# Altium PCB CRD25DA12N-FMC V1.1 (07-2023).PcbDoc (part 6 of 7)
Units mil, origin at the board's own origin, x right, y up, seen from the top; angles counter-clockwise.
Board outline 8000 x 8000 mil, 6 copper layers (Top Layer, Layer 2, Layer 3, Layer 4, Layer 5, Bottom Layer), stack 91 mil thick; 542 components, 315 nets, 1585 pads, 558 vias.
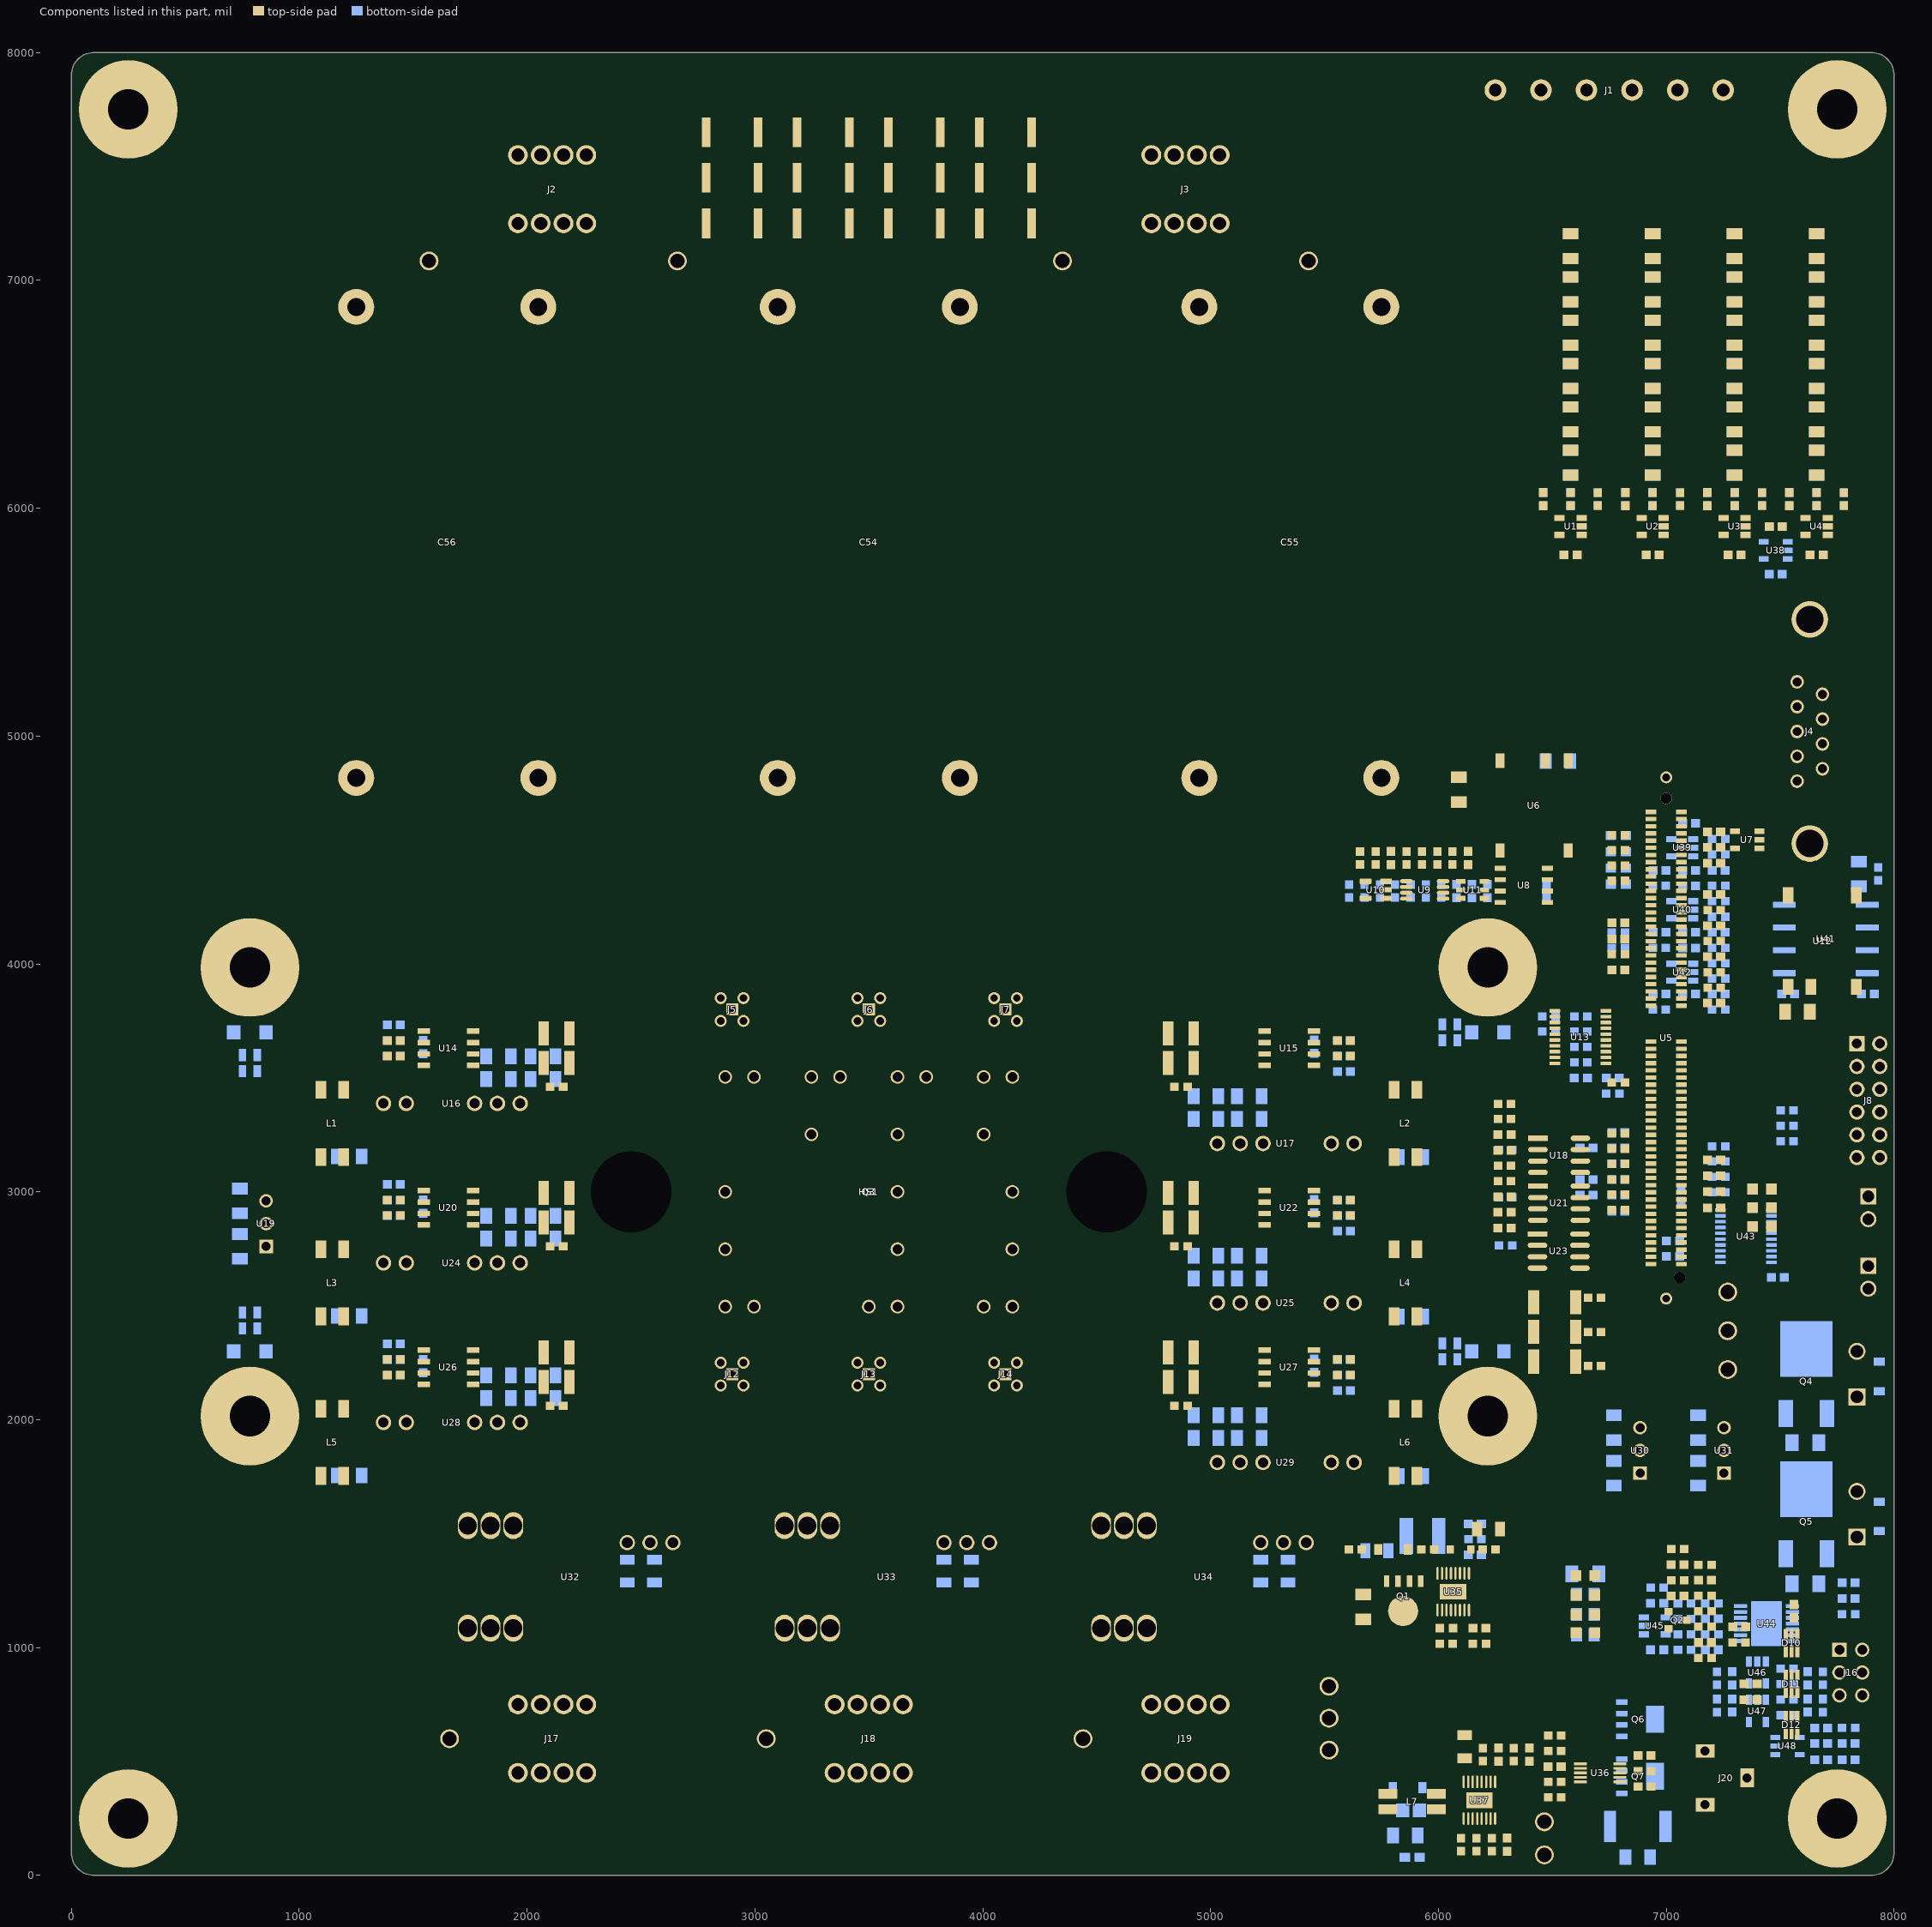
[diagram p10: the components of this part, seen from the top]

## Polygon pours and split planes (outlines as drawn) (continued)
GND on Bottom Layer "GND_L06_P148" (solid, pour order 148): 6825,1941.88 6856.88,1910 6935,1910 6935,1820 6856.88,1820 6825,1788.12 6825,1770 6715,1770 6715,1960 6825,1960
+3.3V on Bottom Layer "+3.3V_L06_P146" (solid, pour order 146): 6803.12,1970 6835,1938.12 6835,1920 6935,1920 6935,2065 6715,2065 6715,1970
GND on Bottom Layer "GND_L06_P145" (solid, pour order 145): 7470,1495 7470,1330 7625,1330 7625,1495
DC- on Layer 5 "DC-_L05_P275" (solid, pour order 275): 1084,3924 2231,3924 2320,3835 2320,2930 4565,2930 5365,3730 5365,4050 5455,4140 5772.5,4137.5 6238,4603 6238,7740 758,7740 758,4250
GND on Layer 5 "GND_L05_P266" (solid, pour order 266): 54 vertices, not listed, extent 2385,50 7950,6175
S4 on Layer 5 "S4_L05_P090" (solid, pour order 90): 4745,2370 5265,2370 5265,1775 4745,1775
S6 on Layer 5 "S6_L05_P091" (solid, pour order 91): 4745,3070 5265,3070 5265,2475 4745,2475
S5 on Layer 5 "S5_L05_P092" (solid, pour order 92): 4745,3770 5265,3770 5265,3175 4745,3175
S1 on Layer 5 "S1_L05_P033" (solid, pour order 33): 1735,3080 2245,3080 2245,2625 1735,2625
S2 on Layer 5 "S2_L05_P341" (solid, pour order 341): 1735,2380 2245,2380 2245,1925 1735,1925
S3 on Layer 5 "S3_L05_P342" (solid, pour order 342): 1735,3780 2245,3780 2245,3325 1735,3325
GND on Layer 5 "GND_L05_P304" (solid, pour order 304): 1395,1850 1470,1850 1470,1925 1575,1925 1575,3725 490,3725 490,1680 1395,1680
U_OUT on Layer 5 "U_OUT_L05_P169" (solid, pour order 169): 1545,1620 1545,340 2455,340 2455,1015 2165,1305 2165,1620
V_OUT on Layer 5 "V_OUT_L05_P168" (solid, pour order 168): 2935,1620 2935,340 3845,340 3845,1015 3555,1305 3555,1620
W_OUT on Layer 5 "W_OUT_L05_P016" (solid, pour order 16): 4325,1620 4325,340 5235,340 5235,1015 4945,1305 4945,1620
GND_ISO on Layer 5 "GND_ISO_L05_P138" (solid, pour order 138): 7725,4445 7725,4365 7810,4365 7810,3845 7950,3845 7950,5595 7540,5595 7540,4445
GND_NTC on Layer 5 "GND_NTC_L05_P263" (solid, pour order 263): 6055,4575 6000,4575 6000,4520 5585,4520 5585,4235 6295,4235 6295,4925 6055,4925
+12V on Top Layer "+12V_L01_P193" (solid, pour order 193): 5880,3795 5880,3940 5805,4015 5580,4015 5205,4390 1545,4390 790,3635 790,3360 960,3360 965,3365 965,3615 1690,4340 5115,4340 5660,3795
G3 on Top Layer "G3_L01_P128" (solid, pour order 128): 18 vertices, not listed, extent 2130,3450 3405,4070
G1 on Top Layer "G1_L01_P061" (solid, pour order 61): 2150,2810 2150,2750 2170,2750 2170,2810 2210,2810 2210,3075 2585,3450 3008.94,3450 3008.94,3560 2520,3560 2130,3170 2130,2810
G2 on Top Layer "G2_L01_P060" (solid, pour order 60): 2150,2110 2150,2050 2170,2050 2170,2110 2210,2110 2210,2210 2445,2445 3045,2445 3045,2555 2400,2555 2195,2350 2130,2350 2130,2110
G6 on Top Layer "G6_L01_P059" (solid, pour order 59): 4775,3060 4775,2800 4530,2555 3955,2555 3955,2445 4615,2445 4870,2700 4870,3060
G5 on Top Layer "G5_L01_P057" (solid, pour order 57): 4735,3665 4789.19,3610.81 4790,3610.81 4790,3440 4870,3440 4870,3754.99 3780.01,3755.01 3705,3680 3705,3515 3755,3465 3795,3465 3795,3600 3860,3665
G4 on Top Layer "G4_L01_P056" (solid, pour order 56): 19 vertices, not listed, extent 3605,1940 4870,2535
+15V on Top Layer "+15V_L01_P235" (solid, pour order 235): 5600,1175 5600,1045 5940,1045 5940,1240 5730,1240 5730,1175
NetD4_2 on Top Layer "NETD4_2_L01_P227" (solid, pour order 227): 5900,1400 5901.49,1400 6015,1400 6015,1120 5950,1120 5950,1360 5830,1360 5830,1475 5900,1475
NetC182_2 on Top Layer "NETC182_2_L01_P224" (solid, pour order 224): 17 vertices, not listed, extent 5840,175 6155,450
GND on Top Layer "GND_L01_P434" (solid, pour order 434): 6530,5000 6530,4825 6638.38,4825 6638.38,5000
+5V_NTC on Top Layer "+5V_NTC_L01_P213" (solid, pour order 213): 6149.83,4525 6200.06,4474.77 6200,4474.77 6200,4445 6295,4445 6295,4760 6055,4760 6055,4675 6055,4525
GND_NTC on Top Layer "GND_NTC_L01_P215" (solid, pour order 215): 6210,4925 6055,4925 6055,4770 6295,4770 6295,4925
GND on Top Layer "GND_L01_P431" (solid, pour order 431): 5715,3305 5715,3555 5850,3555 5850,3305
+12V on Top Layer "+12V_L01_P430" (solid, pour order 430): 5945,3305 5945,3555 5860,3555 5860,3305
NetC105_2 on Top Layer "NETC105_2_L01_P429" (solid, pour order 429): 5850,3065 5480,3065 5480,3295 5850,3295
NetC105_1 on Top Layer "NETC105_1_L01_P428" (solid, pour order 428): 5945,3295 5945,3065 5860,3065 5860,3295
GND on Top Layer "GND_L01_P427" (solid, pour order 427): 5715,2605 5715,2855 5850,2855 5850,2605
+12V on Top Layer "+12V_L01_P426" (solid, pour order 426): 5945,2605 5945,2855 5860,2855 5860,2605
NetC135_2 on Top Layer "NETC135_2_L01_P425" (solid, pour order 425): 5850,2365 5480,2365 5480,2595 5850,2595
NetC135_1 on Top Layer "NETC135_1_L01_P424" (solid, pour order 424): 5945,2595 5945,2365 5860,2365 5860,2595
+12V on Top Layer "+12V_L01_P379" (solid, pour order 379): 1235,1945 1235,2150 1145,2150 1145,1945
NetC157_1 on Top Layer "NETC157_1_L01_P376" (solid, pour order 376): 1195,1935 1195,1937.5 1245,1987.5 1245,2040 1525,2040 1525,1925 1455,1925 1450,1925 1395,1870 1395,1680 1145,1680 1145,1935
NetC156_1 on Top Layer "NETC156_1_L01_P102" (solid, pour order 102): 5945,1895 5945,1665 5860,1665 5860,1895
NetC156_2 on Top Layer "NETC156_2_L01_P103" (solid, pour order 103): 5850,1665 5480,1665 5480,1895 5850,1895
+12V on Top Layer "+12V_L01_P178" (solid, pour order 178): 5945,1905 5945,2155 5860,2155 5860,1905
GND on Top Layer "GND_L01_P184" (solid, pour order 184): 5715,1905 5715,2155 5850,2155 5850,1905
G5L on Top Layer "G5L_L01_P423" (solid, pour order 423): 5265,3595 5265,3620 4900,3620 4900,3510 5100,3510 5185,3595
G5H on Top Layer "G5H_L01_P422" (solid, pour order 422): 5265,3665 5265,3640 4900,3640 4900,3750 5100,3750 5185,3665
+15V_W_HS on Top Layer "-3V_U_LS_TOP" (solid, pour order 421): 5265,3770 5265,3675 5190,3675 5145,3720 5145,3770
-3V_W_HS on Top Layer "+15V_U_LS_TOP" (solid, pour order 420): 5265,3585 5265,3410 5165,3410 5165,3555 5195,3585
G6L on Top Layer "G6L_L01_P419" (solid, pour order 419): 5265,2895 5265,2920 4900,2920 4900,2810 5100,2810 5185,2895
G6H on Top Layer "G6H_L01_P418" (solid, pour order 418): 5265,2965 5265,2940 4900,2940 4900,3050 5100,3050 5185,2965
+15V_W_LS on Top Layer "-3V_U_LS_TOP" (solid, pour order 417): 5265,3070 5265,2975 5190,2975 5145,3020 5145,3070
-3V_W_LS on Top Layer "+15V_U_LS_TOP" (solid, pour order 416): 5265,2885 5265,2710 5165,2710 5165,2855 5195,2885
G4L on Top Layer "G4L_L01_P409" (solid, pour order 409): 5265,2195 5265,2220 4900,2220 4900,2110 5100,2110 5185,2195
G4H on Top Layer "G4H_L01_P408" (solid, pour order 408): 5265,2265 5265,2240 4900,2240 4900,2350 5100,2350 5185,2265
G2H on Top Layer "G2H_L01_P407" (solid, pour order 407): 1735,2195 1735,2220 2100,2220 2100,2110 1900,2110 1815,2195
-3V_U_LS on Top Layer "-3V_U_LS_TOP" (solid, pour order 406): 1735,2370 1735,2275 1810,2275 1855,2320 1855,2370
+15V_U_LS on Top Layer "+15V_U_LS_TOP" (solid, pour order 405): 1860,2035 1915,1980 1915,1925 2015,1925 2015,2095 1900,2095 1810,2185 1735,2185 1735,2035
G2L on Top Layer "G2L_L01_P404" (solid, pour order 404): 1735,2265 1735,2240 2100,2240 2100,2350 1900,2350 1815,2265
G3H on Top Layer "G3H_L01_P403" (solid, pour order 403): 1735,3595 1735,3620 2100,3620 2100,3510 1900,3510 1815,3595
-3V_V_HS on Top Layer "-3V_U_LS_TOP" (solid, pour order 402): 1735,3770 1735,3675 1810,3675 1855,3720 1855,3770
+15V_V_HS on Top Layer "+15V_U_LS_TOP" (solid, pour order 401): 1860,3435 1915,3380 1915,3325 2015,3325 2015,3495 1900,3495 1810,3585 1735,3585 1735,3435
G3L on Top Layer "G3L_L01_P400" (solid, pour order 400): 1735,3665 1735,3640 2100,3640 2100,3752.8 1902.8,3752.79 1815,3665
+12V on Top Layer "+12V_L01_P383" (solid, pour order 383): 1235,3345 1235,3550 1145,3550 1145,3345
GND on Top Layer "GND_L01_P382" (solid, pour order 382): 1135,3345 1135,3550 1045,3550 1045,3345
NetC106_2 on Top Layer "NETC106_2_L01_P381" (solid, pour order 381): 1045,3335 1045,3075 1135,3075 1135,3335
NetC106_1 on Top Layer "NETC106_1_L01_P380" (solid, pour order 380): 1195,3335 1195,3337.5 1245,3387.5 1245,3440 1525,3440 1525,3325 1455,3325 1450,3325 1395,3270 1395,3080 1145,3080 1145,3335
GND on Top Layer "GND_L01_P378" (solid, pour order 378): 1135,1945 1135,2150 1045,2150 1045,1945
NetC157_2 on Top Layer "NETC157_2_L01_P377" (solid, pour order 377): 1045,1935 1045,1675 1135,1675 1135,1935
NetC136_1 on Top Layer "NETC136_1_L01_P077" (solid, pour order 77): 1195,2635 1195,2637.5 1245,2687.5 1245,2740 1525,2740 1525,2625 1455,2625 1450,2625 1395,2570 1395,2380 1145,2380 1145,2635
+12V on Top Layer "+12V_L01_P375" (solid, pour order 375): 1235,2645 1235,2850 1145,2850 1145,2645
NetC136_2 on Top Layer "NETC136_2_L01_P078" (solid, pour order 78): 1045,2635 1045,2375 1135,2375 1135,2635
G1H on Top Layer "G1H_L01_P374" (solid, pour order 374): 1735,2895 1735,2920 2100,2920 2100,2810 1900,2810 1815,2895
+15V_U_HS on Top Layer "+15V_U_LS_TOP" (solid, pour order 330): 1860,2735 1915,2680 1915,2625 2015,2625 2015,2795 1900,2795 1810,2885 1735,2885 1735,2735
NetC159_1 on Top Layer "NETC159_1_L01_P233" (solid, pour order 233): 5630,1475 5630,1385 5685,1330 5795,1330 5795,1265 5935,1265 5935,1345 5820,1345 5820,1475
U_OUT on Top Layer "U_OUT_L01_P278" (solid, pour order 278): 1545,1620 1545,340 2455,340 2455,1015 2165,1305 2165,1620
W_OUT on Top Layer "W_OUT_L01_P276" (solid, pour order 276): 4325,1615 4325,340 5235,340 5235,1015 4945,1305 4945,1615
V_OUT on Top Layer "V_OUT_L01_P277" (solid, pour order 277): 2935,1620 2935,340 3845,340 3845,1015 3555,1305 3555,1620
-3V_U_HS on Top Layer "-3V_U_LS_TOP" (solid, pour order 331): 1735,3070 1735,2975 1810,2975 1855,3020 1855,3070
G1L on Top Layer "G1L_L01_P329" (solid, pour order 329): 1735,2965 1735,2940 2100,2940 2100,3050 1900,3050 1815,2965
-3V_V_LS on Top Layer "+15V_U_LS_TOP" (solid, pour order 124): 5265,2185 5265,2010 5165,2010 5165,2155 5195,2185
+15V_V_LS on Top Layer "-3V_U_LS_TOP" (solid, pour order 125): 5265,2370 5265,2275 5190,2275 5145,2320 5145,2370
+5V_ISO on Top Layer "+5V_ISO_L01_P291" (solid, pour order 291): 7795,4405 7795,4250 7920,4250 7920,4405
GND_ISO on Top Layer "GND_ISO_L01_P289" (solid, pour order 289): 7795,3950 7795,3845 7940,3845 7940,3950
GND on Top Layer "GND_L01_P284" (solid, pour order 284): 7575,3950 7575,3740 7465,3740 7465,3950
+3.3V on Top Layer "+3.3V_L01_P283" (solid, pour order 283): 7585,3950 7585,3740 7705,3740 7705,3880 7675,3880 7675,3950
+5V on Top Layer "+5V_L01_P217" (solid, pour order 217): 6410,5000 6410,4825 6520,4825 6520,5000
+12V on Top Layer "+12V_L01_P228" (solid, pour order 228): 6215,1605 5985,1605 5985,1525 6105,1525 6105,1395 6170,1395 6170,1460 6215,1460
GND on Top Layer "GND_L01_P236" (solid, pour order 236): 5600,1300 5600,1185 5720,1185 5720,1300
GND on Top Layer "GND_L01_P231" (solid, pour order 231): 6230,1460 6230,1605 6330,1605 6330,1460
GND on Top Layer "GND_L01_P196" (solid, pour order 196): 1135,2645 1135,2850 1045,2850 1045,2645
NetC182_1 on Top Layer "NETC182_1_L01_P191" (solid, pour order 191): 5880,340 5880,480 6055,480 6055,340
-15V on Top Layer "-15V_L01_P189" (solid, pour order 189): 5830,250 5870,250 5870,330 5680,330 5680,135 5685,135 5830,135
+12V on Top Layer "+12V_L01_P188" (solid, pour order 188): 5705,480 5705,340 5870,340 5870,480
GND on Top Layer "GND_L01_P166" (solid, pour order 166): 6340,2215 6380,2175 6475,2175 6475,2590 6340,2590

## Keep-outs
Top Layer:
  region: 2470,330 2470,370 2400,370 2400,330
  rectangle: 1535,325 1575,395
  region: 3566.21,1635.39 3526.21,1635.39 3526.21,1565.39 3566.21,1565.39
  region: 5250,330 5250,370 5180,370 5180,330
  rectangle: 4315,325 4355,395
  rectangle: 2925,325 2965,395
  region: 3860,330 3860,370 3790,370 3790,330
  region: 2175,1635 2135,1635 2135,1565 2175,1565
  region: 2921.21,1630.39 2921.21,1590.39 2991.21,1590.39 2991.21,1630.39
  region: 4310,1625 4310,1585 4380,1585 4380,1625
  region: 4955,1630 4915,1630 4915,1560 4955,1560
  region: 1530,1630 1530,1590 1600,1590 1600,1630
  rectangle: 2925,325 2965,395
  rectangle: 4315,325 4355,395
  region: 3860,330 3860,370 3790,370 3790,330
  region: 5250,330 5250,370 5180,370 5180,330
  region: 2470,330 2470,370 2400,370 2400,330
  rectangle: 1535,325 1575,395
  lines w10: 785.01,3404.2 ccw(c835,3405) 835.8,3355.01 ; 920.8,3355.01 ccw(c920,3405) 969.99,3405.8 ; 1039.2,1989.19 ccw(c1089.2,1989.99) 1090,1940 ; 1039.2,2689.19 ccw(c1089.2,2689.99) 1090,2640 ; 1039.2,3389.19 ccw(c1089.2,3389.99) 1090,3340 ; 1040,1720 ccw(c1090,1720) 1090,1670 ccw(c1090,1720) 1140,1720 ; 1040,1890 cw(c1090,1890) 1090,1940 ; 1040.01,2104.2 cw(c1090,2105) 1089.2,2154.99 cw(c1090,2105) 1139.99,2105.8 ; 1040,2420 ccw(c1090,2420) 1090,2370 ccw(c1090,2420) 1140,2420 ; 1040,2590 cw(c1090,2590) 1090,2640 ; 1040.01,2804.2 cw(c1090,2805) 1089.2,2854.99 cw(c1090,2805) 1139.99,2805.8 ; 1040,3120 ccw(c1090,3120) 1090,3070 ccw(c1090,3120) 1140,3120 ; 1040,3290 cw(c1090,3290) 1090,3340 ; 1040.01,3504.2 cw(c1090,3505) 1089.2,3554.99 cw(c1090,3505) 1139.99,3505.8 ; 1090.8,1940.01 ccw(c1090,1990) 1139.99,1990.8 ; 1090.8,2640.01 ccw(c1090,2690) 1139.99,2690.8 ; 1090.8,3340.01 ccw(c1090,3390) 1139.99,3390.8 ; 1139.2,1989.19 ccw(c1189.2,1989.99) 1190,1940 ; 1139.2,2689.19 ccw(c1189.2,2689.99) 1190,2640 ; 1139.2,3389.19 ccw(c1189.2,3389.99) 1190,3340 ; 1140,1725 ccw(c1190,1725) 1190,1675 ; 1140.01,2104.2 cw(c1190,2105) 1189.2,2154.99 ; 1140,2425 ccw(c1190,2425) 1190,2375 ; 1140.01,2804.2 cw(c1190,2805) 1189.2,2854.99 ; 1140,3125 ccw(c1190,3125) 1190,3075 ; 1140.01,3504.2 cw(c1190,3505) 1189.2,3554.99 ; 1190,2155 cw(c1190,2105) 1240,2105 ; 1190,2855 cw(c1190,2805) 1240,2805 ; 1190,3555 cw(c1190,3505) 1240,3505 ; 1239.2,1994.99 cw(c1289.2,1994.99) 1289.2,2044.99 ; 1239.2,2694.99 cw(c1289.2,2694.99) 1289.2,2744.99 ; 1239.2,3394.99 cw(c1289.2,3394.99) 1289.2,3444.99 ; 1240,1990 cw(c1190,1990) 1190,1940 ; 1240,2690 cw(c1190,2690) 1190,2640 ; 1240,3390 cw(c1190,3390) 1190,3340 ; 1350,1675 ccw(c1350,1725) 1400,1725 ; 1350,2375 ccw(c1350,2425) 1400,2425 ; 1350,3075 ccw(c1350,3125) 1400,3125 ; 1400.01,1869.2 cw(c1450,1870) 1449.2,1919.99 ; 1400.01,2569.2 cw(c1450,2570) 1449.2,2619.99 ; 1400.01,3269.2 cw(c1450,3270) 1449.2,3319.99 ; 1479.2,2044.99 cw(c1480,1995) 1529.99,1995.8 ; 1479.2,2744.99 cw(c1480,2695) 1529.99,2695.8 ; 1479.2,3444.99 cw(c1480,3395) 1529.99,3395.8 ; 1480.8,1920.01 ccw(c1480,1970) 1529.99,1970.8 ; 1480.8,2620.01 ccw(c1480,2670) 1529.99,2670.8 ; 1480.8,3320.01 ccw(c1480,3370) 1529.99,3370.8 ; 1540.02,1477.41 cw(c1690,1475) 1692.41,1624.98 ; 1730,2080 ccw(c1780,2080) 1780,2030 ; 1730,2780 ccw(c1780,2780) 1780,2730 ; 1730,3480 ccw(c1780,3480) 1780,3430 ; 1730.8,2325.01 cw(c1780.8,2325.01) 1780.8,2375.01 ; 1730.8,3025.01 cw(c1780.8,3025.01) 1780.8,3075.01 ; 1730.8,3725.01 cw(c1780.8,3725.01) 1780.8,3775.01 ; 1810,2375 cw(c1810,2325) 1860,2325 ; 1810,3075 cw(c1810,3025) 1860,3025 ; 1810,3775 cw(c1810,3725) 1860,3725 ; 1860,2030 cw(c1860,1980) 1910,1980 ; 1860,2730 cw(c1860,2680) 1910,2680 ; 1860,3430 cw(c1860,3380) 1910,3380 ; 1910,1970 ccw(c1960,1970) 1960,1920 ; 1910,2670 ccw(c1960,2670) 1960,2620 ; 1910,3370 ccw(c1960,3370) 1960,3320 ; 1970,1920 ccw(c1970,1970) 2020,1970 ; 1970,2100 cw(c1970,2050) 2020,2050 ; 1970,2620 ccw(c1970,2670) 2020,2670 ; 1970,2800 cw(c1970,2750) 2020,2750 ; 1970,3320 ccw(c1970,3370) 2020,3370 ; 1970,3500 cw(c1970,3450) 2020,3450 ; 2022.41,1624.98 cw(c2020,1475) 2169.98,1472.59 ; 2931.23,1477.81 cw(c3081.21,1475.39) 3083.62,1625.37 ; 2965.8,3445.01 ccw(c2965,3495) 3014.99,3495.8 ; 2999.2,2559.99 cw(c3000,2510) 3049.99,2510.8 ; 3000.8,2440.01 ccw(c3000,2490) 3049.99,2490.8 ; 3250.01,3499.2 ccw(c3300,3500) 3300.8,3450.01 ; 3360.8,3450.01 ccw(c3360,3500) 3409.99,3500.8 ; 3413.62,1625.37 cw(c3411.21,1475.39) 3561.19,1472.98 ; 3600.01,2489.2 cw(c3650,2490) 3649.2,2539.99 ; 3669.2,2539.99 cw(c3670,2490) 3719.99,2490.8 ; 3720.01,2054.2 ccw(c3770,2055) 3770.8,2005.01 ; 3750.8,3460.01 ccw(c3750,3510) 3799.99,3510.8 ; 3950.01,2489.2 ccw(c4000,2490) 4000.8,2440.01 ; 3950.01,2509.2 cw(c4000,2510) 3999.2,2559.99 ; 4320.02,1472.41 cw(c4470,1470) 4472.41,1619.98 ; 4735,3660 cw(c4735.8,3610.01) 4785.8,3610.81 ; 4770.01,3015.8 cw(c4820,3015) 4820.8,3064.99 ; 4770.81,2309.2 cw(c4820.8,2310.01) 4820,2360 ; 4802.41,1619.98 cw(c4800,1470) 4949.98,1467.59 ; 5140,2325 cw(c5190,2325) 5190,2375 ; 5140,3025 cw(c5190,3025) 5190,3075 ; 5140,3725 cw(c5190,3725) 5190,3775 ; 5159.2,2054.19 ccw(c5209.2,2054.99) 5210,2005 ; 5159.2,2754.19 ccw(c5209.2,2754.99) 5210,2705 ; 5159.2,3454.19 ccw(c5209.2,3454.99) 5210,3405 ; 5219.2,2375.01 cw(c5219.2,2325.01) 5269.2,2325.01 ; 5219.2,3075.01 cw(c5219.2,3025.01) 5269.2,3025.01 ; 5219.2,3775.01 cw(c5219.2,3725.01) 5269.2,3725.01 ; 5220.81,2004.2 ccw(c5220.01,2054.2) 5270,2055 ; 5220.81,2704.2 ccw(c5220.01,2754.2) 5270,2755 ; 5220.81,3404.2 ccw(c5220.01,3454.2) 5270,3455 ; 5475,1710 ccw(c5525,1710) 5525,1660 ; 5475,2410 ccw(c5525,2410) 5525,2360 ; 5475,3110 ccw(c5525,3110) 5525,3060 ; 5475.81,1849.2 cw(c5525.8,1850.01) 5525,1900 ; 5475.81,2549.2 cw(c5525.8,2550.01) 5525,2600 ; 5475.81,3249.2 cw(c5525.8,3250.01) 5525,3300 ; 5675,180 ccw(c5725,180) 5725,130 ; 5710,1950 ccw(c5760,1950) 5760,1900 ; 5710,2110 cw(c5759.99,2110.8) 5759.19,2160.8 ; 5710,2650 ccw(c5760,2650) 5760,2600 ; 5710,2810 cw(c5759.99,2810.8) 5759.19,2860.8 ; 5710,3350 ccw(c5760,3350) 5760,3300 ; 5710,3510 cw(c5759.99,3510.8) 5759.19,3560.8 ; 5785,130 ccw(c5785,180) 5835,180 ; 5805,1660 ccw(c5805,1710) 5855,1710 ccw(c5905,1710) 5905,1660 ; 5805,2160 cw(c5805,2110) 5855,2110 cw(c5905,2110) 5905,2160 ; 5805,2360 ccw(c5805,2410) 5855,2410 ccw(c5905,2410) 5905,2360 ; 5805,2860 cw(c5805,2810) 5855,2810 cw(c5905,2810) 5905,2860 ; 5805,3060 ccw(c5805,3110) 5855,3110 ccw(c5905,3110) 5905,3060 ; 5805,3560 cw(c5805,3510) 5855,3510 cw(c5905,3510) 5905,3560 ; 5825,330 cw(c5825,280) 5875,280 cw(c5925,280) 5925,330 ; 5825,335 ccw(c5825,385) 5875,385 ccw(c5925,385) 5925,335 ; 5825,485 cw(c5825,435) 5875,435 cw(c5925,435) 5925,485 ; 5835.8,3790.01 ccw(c5835,3840) 5884.99,3840.8 ; 5900,1660 ccw(c5900,1710) 5950,1710 ; 5900,2160 cw(c5900,2110) 5950,2110 ; 5900,2360 ccw(c5900,2410) 5950,2410 ; 5900,2860 cw(c5900,2810) 5950,2810 ; 5900,3060 ccw(c5900,3110) 5950,3110 ; 5900,3560 cw(c5900,3510) 5950,3510 ; 5950,1850 ccw(c5900,1850) 5900,1900 ccw(c5900,1950) 5950,1950 ; 5950,2550 ccw(c5900,2550) 5900,2600 ccw(c5900,2650) 5950,2650 ; 5950,3250 ccw(c5900,3250) 5900,3300 ccw(c5900,3350) 5950,3350 ; 6010,485 cw(c6010,435) 6060,435 ; 6015,330 ccw(c6015,380) 6065,380 ; 6050,4570 ccw(c6100,4570) 6100,4520 ; 6050,4715 cw(c6100,4715) 6100,4765 cw(c6100,4815) 6050,4815 ; 6050,4880 cw(c6100,4880) 6100,4930 ; 6065,430 cw(c6090,430) 6090,455 ; 6145,4520 cw(c6145,4470) 6195,4470 ; 6195.02,4472.9 ccw(c6242,4490) 6242,4440 ; 6250,4440 ccw(c6250,4490) 6300,4490 ; 6250,4930 cw(c6250,4880) 6300,4880 ; 6300,4715 ccw(c6250,4715) 6250,4765 ccw(c6250,4815) 6300,4815 ; 6335,2220 ccw(c6385,2220) 6385,2170 ; 6335,2545 cw(c6385,2545) 6385,2595 ; 6405,4870 ccw(c6455,4870) 6455,4820 ; 6405,4955 cw(c6455,4955) 6455,5005 ; 6430,2170 ccw(c6430,2220) 6480,2220 ; 6430,2595 cw(c6430,2545) 6480,2545 ; 6475,4820 ccw(c6475,4870) 6525,4870 ccw(c6575,4870) 6575,4820 ; 6475,5005 cw(c6475,4955) 6525,4955 cw(c6575,4955) 6575,5005 ; 6595,4820 ccw(c6595,4870) 6645,4870 ; 6595,5005 cw(c6595,4955) 6645,4955 ; 1090,1940 cw(c1090,1890) 1140,1890 cw(c1190,1890) 1190,1940 ; 1090,2640 cw(c1090,2590) 1140,2590 cw(c1190,2590) 1190,2640 ; 1090,3340 cw(c1090,3290) 1140,3290 cw(c1190,3290) 1190,3340 ; 1540.02,487.41 ccw(c1690,485) 1687.59,335.02 cw(c1690,485) 1540.02,487.41 ; 2307.59,335.02 ccw(c2310,485) 2459.98,482.59 cw(c2310,485) 2307.59,335.02 ; 2930.02,487.41 ccw(c3080,485) 3077.59,335.02 cw(c3080,485) 2930.02,487.41 ; 3697.59,335.02 ccw(c3700,485) 3849.98,482.59 cw(c3700,485) 3697.59,335.02 ; 4320.02,487.41 ccw(c4470,485) 4467.59,335.02 cw(c4470,485) 4320.02,487.41 ; 5087.59,335.02 ccw(c5090,485) 5239.98,482.59 cw(c5090,485) 5087.59,335.02 ; 5805,1900 ccw(c5805,1950) 5855,1950 ccw(c5905,1950) 5905,1900 ccw(c5905,1850) 5855,1850 ccw(c5805,1850) 5805,1900 ; 5805,2600 cw(c5805,2550) 5855,2550 cw(c5905,2550) 5905,2600 cw(c5905,2650) 5855,2650 cw(c5805,2650) 5805,2600 ; 5805,3300 cw(c5805,3250) 5855,3250 cw(c5905,3250) 5905,3300 cw(c5905,3350) 5855,3350 cw(c5805,3350) 5805,3300
Layer 2:
  region: 1425.76,1895.43 1425.76,1855.43 1495.76,1855.43 1495.76,1895.43
  region: 4955,1630 4915,1630 4915,1560 4955,1560
  region: 4310,1625 4310,1585 4380,1585 4380,1625
  region: 3565,1635 3525,1635 3525,1565 3565,1565
  region: 2920,1615 2920,1575 2990,1575 2990,1615
  region: 2175,1620 2135,1620 2135,1550 2175,1550
  region: 1530,1630 1530,1590 1600,1590 1600,1630
  region: 5250,330 5250,370 5180,370 5180,330
  region: 5250,330 5250,370 5180,370 5180,330
  rectangle: 4315,325 4355,395
  rectangle: 4315,325 4355,395
  region: 3860,330 3860,370 3790,370 3790,330
  region: 3860,330 3860,370 3790,370 3790,330
  rectangle: 2925,325 2965,395
  rectangle: 2925,325 2965,395
  region: 2470,330 2470,370 2400,370 2400,330
  region: 2470,330 2470,370 2400,370 2400,330
  rectangle: 1535,325 1575,395
  rectangle: 1535,325 1575,395
  rectangle: 5305,260 5345,330
  rectangle: 4195,255 4235,325
  rectangle: 5317.18,1103.22 5357.18,1173.22
  rectangle: 5365,1545 5405,1615
  rectangle: 7455.41,5521.71 7515,5665
  rectangle: 7455.79,4364.18 7515.39,4507.46
  rectangle: 7734.19,3725 7793.78,3868.29
  rectangle: 7724.19,4275 7783.78,4418.29
  rectangle: 3920,260 3960,330
  rectangle: 3931.38,1103.21 3971.38,1173.21
  rectangle: 2800,260 2840,330
  rectangle: 2541.38,1103.21 2581.38,1173.21
  rectangle: 7524,30 7654,255
  rectangle: 7754,331.5 7970,476.5
  rectangle: 7825,40 7960,165
  lines w10: 485,1750 ccw(c560,1750) 560,1675 ; 485.01,4358.79 cw(c560,4360) 558.79,4434.99 ; 1325,1675 ccw(c1325,1750) 1400,1750 ; 1400.01,1843.79 cw(c1475,1845) 1473.79,1919.99 ; 1505,1920 ccw(c1503.79,1994.99) 1578.78,1996.2 ; 1540,1475 cw(c1690,1475) 1690,1625 ; 1730,2167 ccw(c1780,2167) 1762.9,2120.02 ; 1730,2265 cw(c1780,2265) 1780,2315 1805,2315 ; 1730,2867 ccw(c1780,2867) 1762.9,2820.02 ; 1730,2965 cw(c1780,2965) 1780,3015 1805,3015 ; 1730,3567 ccw(c1780,3567) 1762.9,3520.02 ; 1730,3665 cw(c1780,3665) 1780,3715 1805,3715 ; 1781.32,2069.24 ccw(c1828.3,2052.14) 1790,2020 ; 1781.32,2769.24 ccw(c1828.3,2752.14) 1790,2720 ; 1781.32,3469.24 ccw(c1828.3,3452.14) 1790,3420 ; 1805,1970 ccw(c1854.99,1970.8) 1855.8,1920.81 ; 1805,2670 ccw(c1854.99,2670.8) 1855.8,2620.81 ; 1805,3370 ccw(c1854.99,3370.8) 1855.8,3320.81 ; 1849,2335 cw(c1899,2335) 1899,2385 ; 1849,3035 cw(c1899,3035) 1899,3085 ; 1849,3735 cw(c1899,3735) 1899,3785 ; 2020,1625 cw(c2020,1475) 2170,1475 ; 2035,3085 ccw(c2035,3135) 2085,3135 ; 2140.8,1920.01 ccw(c2140,1970) 2189.99,1970.8 ; 2210.81,2619.2 ccw(c2210.01,2669.2) 2260,2670 ; 2375.01,1443.79 cw(c2450,1445) 2448.79,1519.99 ; 2544.2,1184.99 cw(c2545,1135) 2594.99,1135.8 ; 2595.01,118.79 ccw(c2670,120) 2671.21,45.01 ; 2703.79,1519.99 cw(c2705,1445) 2779.99,1446.21 ; 2764.2,2409.99 cw(c2765,2360) 2814.99,2360.8 ; 2765.8,3595.01 ccw(c2765,3645) 2814.99,3645.8 ; 2780.01,313.79 ccw(c2855,315) 2856.21,240.01 ; 2815.01,2169.2 ccw(c2865,2170) 2865.8,2120.01 ; 2815.01,3829.2 cw(c2865,3830) 2864.2,3879.99 ; 2930,1475 cw(c3080,1475) 3080,1625 ; 2934.2,3879.99 cw(c2935,3830) 2984.99,3830.8 ; 2935.8,2120.01 ccw(c2935,2170) 2984.99,2170.8 ; 2985.01,2359.2 cw(c3035,2360) 3034.2,2409.99 ; 2985.01,3644.2 ccw(c3035,3645) 3035.8,3595.01 ; 3029.2,2589.99 cw(c3030,2540) 3079.99,2540.8 ; 3029.2,3594.99 cw(c3030,3545) 3079.99,3545.8 ; 3030.8,2410.01 ccw(c3030,2460) 3079.99,2460.8 ; 3030.8,3415.01 ccw(c3030,3465) 3079.99,3465.8 ; 3210.01,3464.2 ccw(c3260,3465) 3260.8,3415.01 ; 3390.26,3416.67 ccw(c3389.46,3466.66) 3439.45,3467.47 ; 3410,1625 cw(c3410,1475) 3560,1475 ; 3420.01,2539.2 cw(c3470,2540) 3469.2,2589.99 ; 3440.01,3669.2 cw(c3490,3670) 3489.2,3719.99 ; 3540.01,3484.2 ccw(c3590,3485) 3590.8,3435.01 ; 3694.2,2589.99 cw(c3695,2540) 3744.99,2540.8 ; 3744.2,2079.19 ccw(c3794.2,2079.99) 3795,2030 ; 3765.01,1443.79 cw(c3840,1445) 3838.79,1519.99 ; 3775.8,3435.01 ccw(c3775,3485) 3824.99,3485.8 ; 3911.21,240.01 ccw(c3910,315) 3984.99,316.21 ; 3920.01,2459.2 ccw(c3970,2460) 3970.8,2410.01 ; 3920.01,2539.2 cw(c3970,2540) 3969.2,2589.99 ; 3934.2,1184.99 cw(c3935,1135) 3984.99,1135.8 ; 3964.2,2409.99 cw(c3965,2360) 4014.99,2360.8 ; 3965.01,3484.2 cw(c4015,3485) 4014.2,3534.99 ; 3965.01,3489.2 ccw(c4015,3490) 4015.8,3440.01 ; 4005.4,3830 ccw(c4005,3855) 4030,3855.4 ; 4015.01,2164.2 ccw(c4065,2165) 4065.8,2115.01 ; 4093.79,1519.99 cw(c4095,1445) 4169.99,1446.21 ; 4135.8,2115.01 ccw(c4135,2165) 4184.99,2165.8 ; 4170.01,313.79 ccw(c4245,315) 4246.21,240.01 ; 4174.6,3834.59 ccw(c4199.6,3835) 4200,3810 ; 4185.01,2359.2 cw(c4235,2360) 4234.2,2409.99 ; 4320,1470 cw(c4470,1470) 4470,1620 ; 4690,3640 cw(c4690.8,3590.01) 4740.8,3590.81 ; 4739.2,2325.81 cw(c4789.2,2325.01) 4790,2375 ; 4739.2,3025.81 cw(c4789.2,3025.01) 4790,3075 ; 4740.81,1820.8 ccw(c4790.8,1819.99) 4790,1770 ; 4740.81,3220.8 ccw(c4790.8,3219.99) 4790,3170 ; 4800,1620 cw(c4800,1470) 4950,1470 ; 5155.01,1443.79 cw(c5230,1445) 5228.79,1519.99 ; 5174.2,3809.99 cw(c5175,3760) 5224.99,3760.8 ; 5220,1770 ccw(c5220.8,1819.99) 5270.8,1819.19 ; 5220,2375 cw(c5219.2,2325.01) 5269.19,2324.2 ; 5220,2470 ccw(c5220.8,2519.99) 5270.8,2519.19 ; 5220,3075 cw(c5219.2,3025.01) 5269.19,3024.2 ; 5220,3170 ccw(c5220.8,3219.99) 5270.8,3219.19 ; 5296.21,240.01 ccw(c5295,315) 5369.99,316.21 ; 5320,1185 cw(c5320.8,1135.01) 5370.8,1135.81 ; 5346.21,1520.01 ccw(c5345,1595) 5419.99,1596.21 ; 5580.01,4280.8 ccw(c5630,4279.99) 5629.2,4230 ; 5580.01,4475.8 cw(c5630,4475) 5630.8,4524.99 ; 5923.79,4104.99 cw(c5925,4030) 5999.99,4031.21 ; 6000,4524.53 ccw(c6000.8,4574.52) 6050.8,4573.71 ; 6050.01,4880.8 cw(c6100,4880) 6100.8,4929.99 ; 6249.2,4230.01 ccw(c6250,4280) 6299.99,4279.2 ; 6250.8,4929.99 cw(c6250,4880) 6299.99,4879.2 ; 6405.01,6103.79 cw(c6480,6105) 6478.79,6179.99 ; 7435.01,4418.79 ccw(c7510,4420) 7511.21,4345.01 ; 7435.01,5608.79 cw(c7510,5610) 7508.79,5684.99 ; 7456.21,45.01 ccw(c7455,120) 7529.99,121.21 ; 7535.01,4513.79 ccw(c7610,4515) 7611.21,4440.01 ; 7535.01,5523.79 cw(c7610,5525) 7608.79,5599.99 ; 7633.8,4343.78 cw(c7635.01,4268.79) 7710,4270 ; 7710.01,3778.79 ccw(c7785,3780) 7786.21,3705.01 ; 7728.79,4439.99 cw(c7730,4365) 7804.99,4366.21 ; 7805.01,3889.2 ccw(c7855,3890) 7855.8,3840.01 ; 7878.79,5599.99 cw(c7880,5525) 7954.99,5526.21 ; 7878.79,6179.99 cw(c7880,6105) 7954.99,6106.21 ; 7881.21,470.01 ccw(c7880,545) 7954.99,546.21 ; 7881.21,5685.01 ccw(c7880,5760) 7954.99,5761.21 ; 7883.79,3704.99 cw(c7885,3630) 7959.99,3631.21 ; 7905.81,3839.2 ccw(c7905.01,3889.2) 7955,3890 ; 1540.02,487.41 ccw(c1690,485) 1687.59,335.02 cw(c1690,485) 1540.02,487.41 ; 2307.59,335.02 ccw(c2310,485) 2459.98,482.59 cw(c2310,485) 2307.59,335.02 ; 2930.02,487.41 ccw(c3080,485) 3077.59,335.02 cw(c3080,485) 2930.02,487.41 ; 3697.59,335.02 ccw(c3700,485) 3849.98,482.59 cw(c3700,485) 3697.59,335.02 ; 4320.02,487.41 ccw(c4470,485) 4467.59,335.02 cw(c4470,485) 4320.02,487.41 ; 5087.59,335.02 ccw(c5090,485) 5239.98,482.59 cw(c5090,485) 5087.59,335.02
Layer 3:
  circle w10: c1960,7550 r200
  circle w10: c1960,7250 r200
  circle w10: c2260,7550 r200
  circle w10: c2260,7250 r200
  circle w10: c4150,3850 r190
  circle w10: c4150,3503.94 r190
  circle w10: c2850,3850 r190
  circle w10: c2850,3503.94 r190
  circle w10: c6065,7280 r192
  region: 2175,1635 2135,1635 2135,1565 2175,1565
  region: 1530,1630 1530,1590 1600,1590 1600,1630
  rectangle: 1780,3085 2345,3295
  region: 1130,4025 1070,4025 1070,3810 1130,3810
  region: 2289.21,6875 2289.21,7180 2256.79,7180 2256.79,6875
  region: 1843.21,6875 1843.21,7180 1810.79,7180 1810.79,6875
  region: 1445.61,7242.78 1171.71,7108.6 1221.38,7007.22 1495.28,7141.4
  region: 1601.27,6999.57 1359.3,6813.89 1428.03,6724.33 1670,6910
  rectangle: 3237.88,3061.97 4005,3330
  rectangle: 1755,7262.91 2465,7802.91
  region: 1775,7755 1735,7755 1735,7685 1775,7685
  region: 2440,7750 2440,7710 2510,7710 2510,7750
  rectangle: 1955,7044.79 2260,7077.21
  region: 4710.94,3890.42 4670.94,3890.42 4670.94,3820.42 4710.94,3820.42
  region: 5905,3971 4805,3971 4805,3915 5905,3915
  rectangle: 7724.19,4275 7783.78,4418.29
  rectangle: 5965,1980 6045,2169.89
  rectangle: 5965,2162.86 6219.18,2244.89
  rectangle: 7809.19,3055 7868.78,3128.29
  rectangle: 7455.79,4364.18 7515.39,4507.46
  rectangle: 7734.19,3725 7793.78,3868.29
  region: 1415.31,1894.07 1415.31,1854.07 1485.31,1854.07 1485.31,1894.07
  rectangle: 5317.18,1103.22 5357.18,1173.22
  rectangle: 5305,260 5345,330
  rectangle: 4195,255 4235,325
  rectangle: 3920,260 3960,330
  rectangle: 3931.38,1103.21 3971.38,1173.21
  rectangle: 2541.38,1103.21 2581.38,1173.21
  rectangle: 2800,260 2840,330
  rectangle: 7524,30 7654,255
  rectangle: 7754,331.5 7970,476.5
  region: 5375,3800 5315,3800 5315,3680 5375,3680
  rectangle: 7825,40 7960,165
  region: 3565,1635 3525,1635 3525,1565 3565,1565
  region: 2920,1630 2920,1590 2990,1590 2990,1630
  region: 4310,1625 4310,1585 4380,1585 4380,1625
  region: 4955,1630 4915,1630 4915,1560 4955,1560
  region: 2470,330 2470,370 2400,370 2400,330
  rectangle: 4315,325 4355,395
  rectangle: 2925,325 2965,395
  region: 3860,330 3860,370 3790,370 3790,330
  region: 5250,330 5250,370 5180,370 5180,330
  rectangle: 1535,325 1575,395
  rectangle: 1125,3800 1725,3894.7
  rectangle: 1095,3856 2195,3971
  rectangle: 1625,3460 1725,3808.71
  region: 1000,4255 940,4255 940,4155 1000,4155
  region: 1060,4200 1000,4200 1000,3985 1060,3985
  region: 1110,4115 1050,4115 1050,3900 1110,3900
  region: 980,4275 810,4275 810,4205 980,4205
  region: 875,4325 705,4325 705,4255 875,4255
  region: 730,7740 730,7700 800,7700 800,7740
  region: 4245,3465 4145,3465 4145,3340 4245,3340
  rectangle: 2850,3310.19 4175.51,4045.42
  rectangle: 2656.25,3503.94 4345.42,3875.51
  region: 2786.06,4030.08 2786.06,3930.08 2911.06,3930.08 2911.06,4030.08
  rectangle: 5476.9,4548.76 5571.9,4630.79
  rectangle: 5445,4497.97 5540,4580
  rectangle: 5530,4582.97 5625,4665
  rectangle: 5425,3790 5568.9,4520
  rectangle: 5545,3935 5810,4185
  rectangle: 4720,3790 5435,3970
  region: 4138.94,4000.08 4138.94,3900.08 4263.94,3900.08 4263.94,4000.08
  region: 4088.94,4030.08 4088.94,3930.08 4213.94,3930.08 4213.94,4030.08
  region: 4178.94,3950.08 4178.94,3850.08 4303.94,3850.08 4303.94,3950.08
  region: 2736.06,4000.08 2736.06,3900.08 2861.06,3900.08 2861.06,4000.08
  rectangle: 2705,3380 2805,3505
  rectangle: 2755,3340 2855,3465
  region: 2696.06,3950.08 2696.06,3850.08 2821.06,3850.08 2821.06,3950.08
  rectangle: 2675,3430 2775,3555
  rectangle: 5590,4537.97 6040,4680
  rectangle: 5650,4132.97 6070,4215
  rectangle: 5895,4568.58 6044.8,4925
  rectangle: 5850,4645 5920,4722.03
  rectangle: 2270.5,3225 2345.5,3845
  rectangle: 2165,3855 2240,3960
  region: 2290,3930 2215,3930 2215,3825 2290,3825
  region: 2310,3910 2235,3910 2235,3805 2310,3805
  region: 2270,3950 2195,3950 2195,3845 2270,3845
  region: 2320,3890 2245,3890 2245,3785 2320,3785
  rectangle: 2335,3170 2375,3240
  rectangle: 2275,2870 2340,3122.06
  region: 4732.79,3962.22 4692.79,3962.22 4692.79,3892.22 4732.79,3892.22
  region: 4705,3945 4665,3945 4665,3875 4705,3875
  region: 4650,3890 4610,3890 4610,3820 4650,3820
  rectangle: 4590,3070 4735,3840
  region: 4295,3505 4195,3505 4195,3380 4295,3380
  region: 4325,3555 4225,3555 4225,3430 4325,3430
  region: 4667.79,3917.22 4627.79,3917.22 4627.79,3847.22 4667.79,3847.22
  region: 6250,7095 6210,7095 6210,7025 6250,7025
  rectangle: 6005,7095 6080,7265.38
  rectangle: 5905,7165 5980,7335.38
  rectangle: 5945,7125 6020,7295.38
  rectangle: 6065,7082.58 6250,7755
  rectangle: 5867.58,7280 6120,7755
  region: 5875,7755 5835,7755 5835,7685 5875,7685
  rectangle: 6190,5050 6260,5127.03
  rectangle: 5997.36,4986.83 6400,5063.86
  rectangle: 5925,4930 6345,5007.03
  rectangle: 6060,4933.58 6400,5085
  lines w10: 433.64,3984.25 cw(c783.46,3984.25) 1133.29,3984.25 ; 485,1750 ccw(c560,1750) 560,1675 ; 485.01,3653.79 cw(c560,3655) 558.79,3729.99 ; 755.02,4450.01 ccw(c880,4448) 877.99,4323.02 ; 755.02,7597.41 cw(c905,7595) 907.41,7744.98 ; 1122.85,4063.45 ccw(c1245,4090) 1242.99,3965.02 ; 1325,1675 ccw(c1325,1750) 1400,1750 ; 1400,1843.79 cw(c1474.99,1845) 1473.78,1919.99 ; 1502.78,3729.23 cw(c1503.99,3654.24) 1578.98,3655.45 ; 1505.19,1919.25 ccw(c1503.99,1994.24) 1578.98,1995.45 ; 1540.02,487.41 ccw(c1690,485) 1687.59,335.02 ; 1540.02,1477.41 cw(c1690,1475) 1692.41,1624.98 ; 1614.41,7744.98 cw(c1612,7595) 1761.98,7592.59 ; 1730,2071.98 ccw(c1780,2071.98) 1762.9,2025 ; 1730,2265 cw(c1780,2265) 1780,2315 1805,2315 ; 1730,2771.98 ccw(c1780,2771.98) 1762.9,2725 ; 1730,2965 cw(c1780,2965) 1780,3015 1805,3015 ; 1730,3471.98 ccw(c1780,3471.98) 1762.9,3425 ; 1730,3665 cw(c1780,3665) 1780,3715 1805,3715 ; 1804.2,1969.19 ccw(c1854.2,1969.99) 1855,1920 ; 1804.2,2669.19 ccw(c1854.2,2669.99) 1855,2620 ; 1804.2,3369.19 ccw(c1854.2,3369.99) 1855,3320 ; 1849.01,2334.2 cw(c1899,2335) 1898.2,2384.99 ; 1849.01,3034.2 cw(c1899,3035) 1898.2,3084.99 ; 1849.01,3734.2 cw(c1899,3735) 1898.2,3784.99 ; 2022.41,1624.98 cw(c2020,1475) 2169.98,1472.59 ; 2124.95,3936.6 cw(c2208,3834) 2268.9,3716.89 ; 2199.2,2384.99 cw(c2200,2335) 2249.99,2335.8 ; 2199.2,3084.99 cw(c2200,3035) 2249.99,3035.8 ; 2199.2,3784.99 cw(c2200,3735) 2249.99,3735.8 ; 2200.8,1920.01 ccw(c2200,1970) 2249.99,1970.8 ; 2200.8,2620.01 ccw(c2200,2670) 2249.99,2670.8 ; 2200.8,3320.01 ccw(c2200,3370) 2249.99,3370.8 ; 2285,6947 cw(c2435,6947) 2360,7076.9 ; 2307.59,335.02 ccw(c2310,485) 2459.98,482.59 ; 2340.02,3332.41 ccw(c2490,3330) 2487.59,3180.02 ; 2375.01,1443.79 cw(c2450,1445) 2448.79,1519.99 ; 2460.02,7597.41 cw(c2610,7595) 2612.41,7744.98 ; 2544.2,1184.99 cw(c2545,1135) 2594.99,1135.8 ; 2595.01,118.79 ccw(c2670,120) 2671.21,45.01 ; 2633.02,3052.01 ccw(c2758,3050) 2755.99,2925.02 ; 2703.79,1519.99 cw(c2705,1445) 2779.99,1446.21 ; 2780.01,313.79 ccw(c2855,315) 2856.21,240.01 ; 2930.02,487.41 ccw(c3080,485) 3077.59,335.02 ; 2930.02,1477.41 cw(c3080,1475) 3082.41,1624.98 ; 2986.79,3315.99 cw(c2988,3241) 3062.99,3242.21 ; 3412.41,1624.98 cw(c3410,1475) 3559.98,1472.59 ; 3697.59,335.02 ccw(c3700,485) 3849.98,482.59 ; 3765.01,1443.79 cw(c3840,1445) 3838.79,1519.99 ; 3911.21,240.01 ccw(c3910,315) 3984.99,316.21 ; 3934.2,1184.99 cw(c3935,1135) 3984.99,1135.8 ; 4093.79,1519.99 cw(c4095,1445) 4169.99,1446.21 ; 4170.01,313.79 ccw(c4245,315) 4246.21,240.01 ; 4189,3265 cw(c4264,3265) 4238.35,3335.48 ; 4244.01,2925.02 ccw(c4242,3050) 4366.98,3052.01 ; 4320.02,487.41 ccw(c4470,485) 4467.59,335.02 ; 4320.02,1472.41 cw(c4470,1470) 4472.41,1619.98 ; 4514.85,3180 ccw(c4470,3296.67) 4594.98,3294.66 ; 4595.02,3842.01 cw(c4720,3840) 4722.01,3964.98 ; 4739.2,2325.81 cw(c4789.2,2325.01) 4790,2375 ; 4739.2,3025.81 cw(c4789.2,3025.01) 4790,3075 ; 4740,3725 cw(c4790,3725) 4790,3775 ; 4740.81,1820.8 ccw(c4790.8,1819.99) 4790,1770 ; 4740.81,2520.8 ccw(c4790.8,2519.99) 4790,2470 ; 4740.81,3220.8 ccw(c4790.8,3219.99) 4790,3170 ; 4802.41,1619.98 cw(c4800,1470) 4949.98,1467.59 ; 5087.59,335.02 ccw(c5090,485) 5239.98,482.59 ; 5155.01,1443.79 cw(c5230,1445) 5228.79,1519.99 ; 5220,1770 ccw(c5220.8,1819.99) 5270.8,1819.19 ; 5220,2375 cw(c5219.2,2325.01) 5269.19,2324.2 ; 5220,2470 ccw(c5220.8,2519.99) 5270.8,2519.19 ; 5220,3075 cw(c5219.2,3025.01) 5269.19,3024.2 ; 5220,3170 ccw(c5220.8,3219.99) 5270.8,3219.19 ; 5220,3775 cw(c5220,3725) 5270,3725 ; 5296.21,240.01 ccw(c5295,315) 5369.99,316.21 ; 5305,3965 ccw(c5307.01,4089.98) 5431.99,4087.97 ; 5320,1185 cw(c5320.8,1135.01) 5370.8,1135.81 ; 5420.01,1613.78 ccw(c5495,1614.99) 5496.21,1540 ; 5420.01,3693.79 cw(c5495,3695) 5493.79,3769.99 ; 5430.02,4517.57 cw(c5590,4515) 5592.57,4674.98 ; 5560.8,3770.01 ccw(c5560,3820) 5609.99,3820.8 ; 5610.01,3819.2 cw(c5660,3820) 5659.2,3869.99 ; 5724.41,7744.98 cw(c5722,7595) 5871.98,7592.59 ; 5730.01,378.79 ccw(c5805,380) 5806.21,305.01 ; 5730.01,423.79 cw(c5805,425) 5803.79,499.99 ; 5733.8,393.78 ccw(c5808.79,394.99) 5810,320 ; 5735.01,408.79 cw(c5810,410) 5808.79,484.99 ; 5747.59,4675.02 ccw(c5750,4825) 5899.98,4822.59 ; 5873.79,304.66 cw(c5875,229.67) 5949.99,230.88 ; 5873.79,1519.99 cw(c5875,1445) 5949.99,1446.21 ; 5873.79,3869.99 cw(c5875,3795) 5949.99,3796.21 ; 5876.21,45.01 ccw(c5875,120) 5949.99,121.21 ; 5876.21,500.01 ccw(c5875,575) 5949.99,576.21 ; 5888.79,319.99 cw(c5890,245) 5964.99,246.21 ; 5888.79,1539.99 cw(c5890,1465) 5964.99,1466.21 ; 5891.21,485.01 ccw(c5890,560) 5964.99,561.21 ; 5900.02,4922.59 cw(c6060,4920.02) 6062.57,5080 ; 5950.01,1973.79 ccw(c6025,1975) 6026.21,1900.01 ; 5965.01,118.79 ccw(c6040,120) 6041.21,45.01 ; 5965,2315 ccw(c6039.99,2316.21) 6041.2,2241.22 ; 5965.01,3693.79 cw(c6040,3695) 6038.79,3769.99 ; 6089.59,5080.02 ccw(c6092,5230) 6241.98,5227.59 ; 6097.41,7086.98 cw(c6095,6937) 6244.98,6934.59 ; 6331.21,3770.01 ccw(c6330,3845) 6404.99,3846.21 ; 6405.01,6103.79 cw(c6480,6105) 6478.79,6179.99 ; 6435.01,1983.79 ccw(c6510,1985) 6511.21,1910.01 ; 7019.2,879.19 ccw(c7069.2,879.99) 7070,830 ; 7020.01,919.2 cw(c7070,920) 7069.2,969.99 ; 7223.79,829.99 cw(c7225,755) 7299.99,756.21 ; 7226.21,970.01 ccw(c7225,1045) 7299.99,1046.21 ; 7300.01,628.79 ccw(c7375,630) 7376.21,555.01 ; 7300.01,1133.79 cw(c7375,1135) 7373.79,1209.99 ; 7435.01,4418.79 ccw(c7510,4420) 7511.21,4345.01 ; 7435.01,5608.79 cw(c7510,5610) 7508.79,5684.99 ; 7456.21,45.01 ccw(c7455,120) 7529.99,121.21 ; 7491.21,1910.01 ccw(c7490,1985) 7564.99,1986.21 ; 7506.21,1900.01 ccw(c7505,1975) 7579.99,1976.21 ; 7535.01,4686.79 ccw(c7610,4688) 7611.21,4613.01 ; 7535.01,5351.79 cw(c7610,5353) 7608.79,5427.99 ; 7565.01,2988.79 cw(c7640,2990) 7638.79,3064.99 ; 7580.01,2958.79 cw(c7655,2960) 7653.79,3034.99 ; 7633.8,4343.78 cw(c7635.01,4268.79) 7710,4270 ; 7710.01,3778.79 ccw(c7785,3780) 7786.21,3705.01 ; 7710.01,4491.12 ccw(c7765,4492) 7765.88,4437.01 ; 7715.01,5523.79 cw(c7790,5525) 7788.79,5599.99 ; 7726.22,3063.8 ccw(c7725.01,3138.79) 7800,3140 ; 7749.12,4439.99 cw(c7750,4385) 7804.99,4385.88 ; 7800.01,3128.79 cw(c7875,3130) 7873.79,3204.99 ; 7805.01,3889.2 ccw(c7855,3890) 7855.8,3840.01 ; 7821.21,3035.01 ccw(c7820,3110) 7894.99,3111.21 ; 7878.79,1209.99 cw(c7880,1135) 7954.99,1136.21 ; 7878.79,5599.99 cw(c7880,5525) 7954.99,5526.21 ; 7878.79,6179.99 cw(c7880,6105) 7954.99,6106.21 ; 7881.21,555.01 ccw(c7880,630) 7954.99,631.21 ; 7881.21,1210.01 ccw(c7880,1285) 7954.99,1286.21 ; 7881.21,3205.01 ccw(c7880,3280) 7954.99,3281.21 ; 7881.21,5685.01 ccw(c7880,5760) 7954.99,5761.21 ; 7883.79,3704.99 cw(c7885,3630) 7959.99,3631.21 ; 7895,3165 cw(c7920,3165.4) 7919.59,3190.4 ; 7904.2,554.99 cw(c7905,505) 7954.99,505.8 ; 7905.8,472.01 ccw(c7905,522) 7954.99,522.8 ; 7905.81,3839.2 ccw(c7905.01,3889.2) 7955,3890 ; 7929.6,3190 cw(c7930,3165) 7955,3165.4 ; 5580.01,4280.8 ccw(c5630,4279.99) 5629.2,4230 cw(c5630,4279.99) 5580.01,4280.8 ; 5580.01,4475.8 cw(c5630,4475) 5630.8,4524.99 ccw(c5630,4475) 5580.01,4475.8 ; 6000,4524.53 ccw(c6000.8,4574.52) 6050.8,4573.71 cw(c6000.8,4574.52) 6000,4524.53 ; 6050.01,4880.8 cw(c6100,4880) 6100.8,4929.99 ccw(c6100,4880) 6050.01,4880.8 ; 6249.2,4230.01 ccw(c6250,4280) 6299.99,4279.2 cw(c6250,4280) 6249.2,4230.01 ; 6250.8,4929.99 cw(c6250,4880) 6299.99,4879.2 ccw(c6250,4880) 6250.8,4929.99